# Altium PCB SIM.PcbDoc (part 1 of 2)
Units mm, origin at the board's own origin, x right, y up, seen from the top; angles counter-clockwise.
Board outline 97.32 x 70.78 mm, 2 copper layers (Top Layer, Bottom Layer), stack 1.031 mm thick; 105 components, 81 nets, 458 pads, 378 vias.
Unrouted connection lines stored in the file: 3.
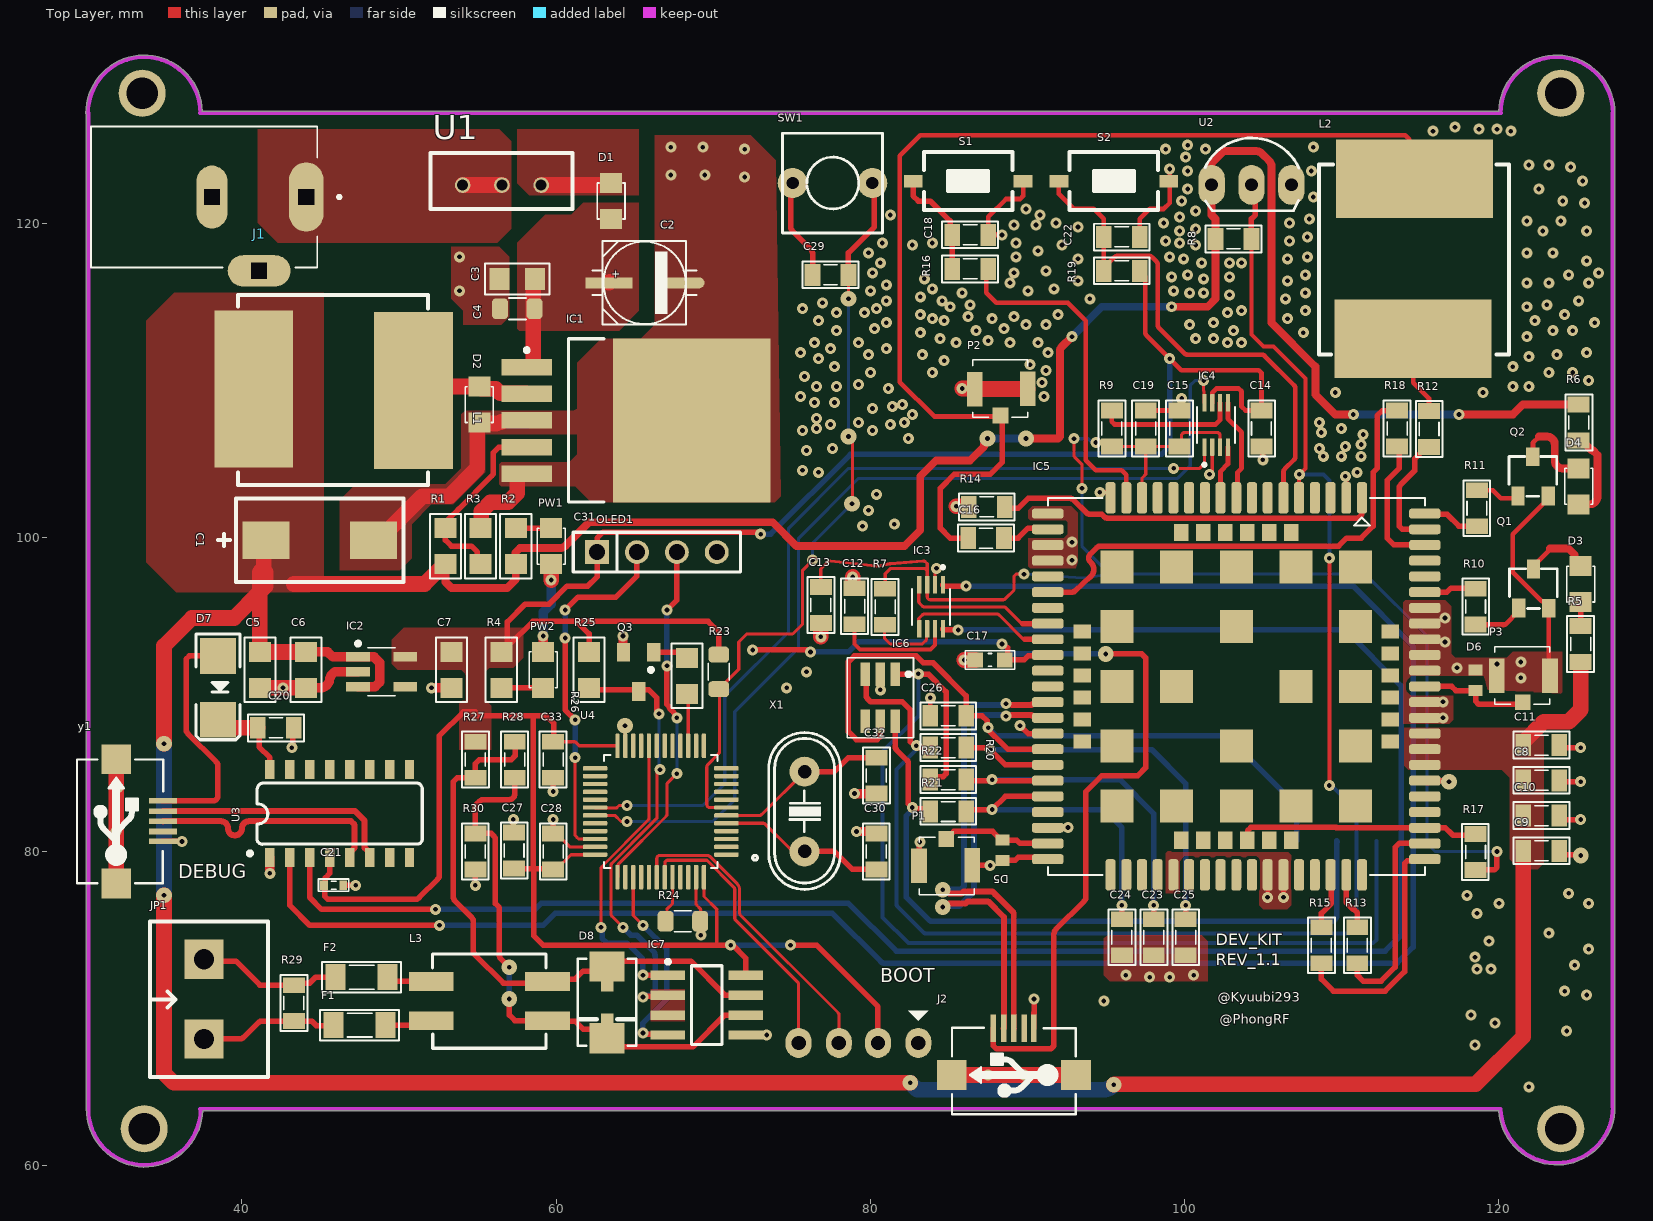
[diagram p0: Top Layer view]
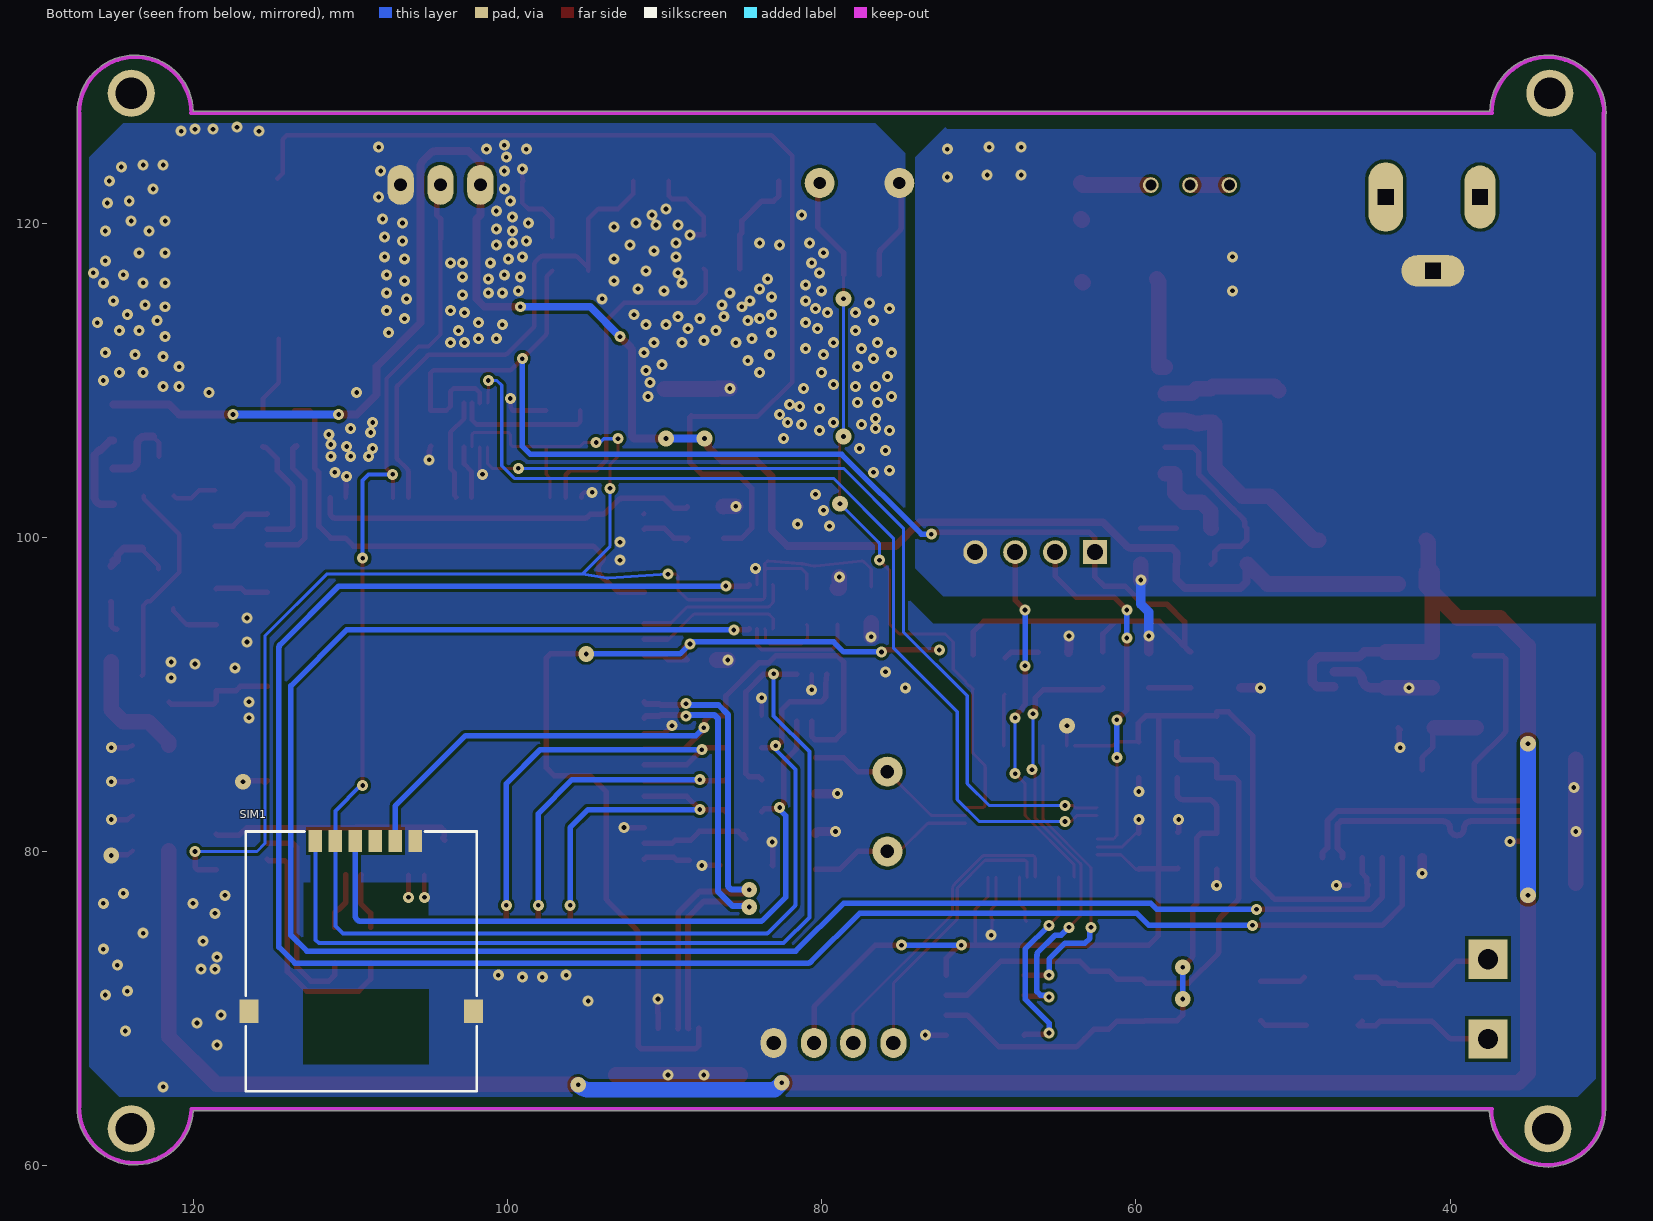
[diagram p1: Bottom Layer view, seen from below]

## Layer stack, top to bottom
Top Solder: solder mask 0.0102, Solder Resist, Dk 3.5
Top Layer: signal copper 0.0356
Dielectric 1: dielectric 0.32, FR-4, Dk 4.8
Dielectric2: dielectric 0.32, FR-4, Dk 4.8
Dielectric3: dielectric 0.32, FR-4, Dk 4.8
Bottom Layer: signal copper 0.0356
Bottom Solder: solder mask 0.0102, Solder Resist, Dk 3.5

## Board outline
30.099,66.048 30.099,126.931 cw(c30.206,127) 30.078,127 cw(c33.782,127) 37.484,127.127 119.996,127.127 cw(c123.698,127) 127.402,127 cw(c127.274,127) 127.381,126.931 127.381,63.823 cw(c127.274,63.754) 127.402,63.754 cw(c123.698,63.754) 120.003,63.5 37.504,63.503 cw(c33.802,63.627) 30.099,63.627

## Design rules (kind name [scope] priority, off if disabled: settings)
Clearance [All] p1: gap=0.2 ignorepadtopadclearanceinfootprint=TRUE
DiffPairsRouting [All] p1: maxlimit=0.254 minlimit=0.254 mostfreqgap=0.254 toplayer_minwidth=0.381 toplayer_maxwidth=0.381 toplayer_prefwidth=0.381 bottomlayer_minwidth=0.381 bottomlayer_maxwidth=0.381 bottomlayer_prefwidth=0.381 maxuncoupledlength=12.7
MatchedLengths [InDifferentialPair('DATAUSB')] p1: tolerance=2 checknetsindiffpair=FALSE checkdiffpairvsdiffpair=TRUE checkxsignals=TRUE checkothers=TRUE
MinimumSolderMaskSliver [All] p1: minsoldermaskwidth=0
PlaneConnect [All] p1: planeconnectstyle=Direct reliefexpansion=0.508 reliefentries=4 reliefconductorwidth=0.254 reliefairgap=0.254
PolygonConnect PolygonConnect_5 [All vs IsNamedPolygon('NONET_L-01_P-001')] p1: connectstyle=Direct reliefconductorwidth=0.254 reliefentries=4 polygonreliefangle="90 Angle" airgapwidth=0.254
PolygonConnect PolygonConnect_4 [All vs IsNamedPolygon('NONET_L-01_P-001')] p2: connectstyle=Direct reliefconductorwidth=0.254 reliefentries=4 polygonreliefangle="90 Angle" airgapwidth=0.254
PolygonConnect PolygonConnect_3 [All vs IsNamedPolygon('Top Layer-3V3')] p3: connectstyle=Direct reliefconductorwidth=0.254 reliefentries=4 polygonreliefangle="90 Angle" airgapwidth=0.254
PolygonConnect PolygonConnect_2 [All vs IsNamedPolygon('NONET_L-01_P-001')] p4: connectstyle=Direct reliefconductorwidth=0.254 reliefentries=4 polygonreliefangle="90 Angle" airgapwidth=0.254
PolygonConnect PolygonConnect_1 [All vs IsNamedPolygon('GN')] p5: connectstyle=Direct reliefconductorwidth=0.254 reliefentries=4 polygonreliefangle="90 Angle" airgapwidth=0.254
PolygonConnect [All] p6: connectstyle=Direct reliefconductorwidth=0.254 reliefentries=4 polygonreliefangle="90 Angle" airgapwidth=0.254
RoutingVias [All] p1: holewidth=0.35 width=0.7 viastyle="Through Hole" minholewidth=0.3 minwidth=0.7 maxholewidth=0.5 maxwidth=1
SilkToSilkClearance [All] p1: silktosilkclearance=0
SilkToSolderMaskClearance [IsPad] p1: minsilkscreentomaskgap=0.1 clearancetoexposedcopper=TRUE
SolderMaskExpansion [All] p1: expansion=0.102 istentingtop=FALSE
Width [All] p1: maxlimit=2 minlimit=0.2 preferedwidth=0.3
25 further rules are at their usual default settings.

## Classes and differential pairs
net class DIFFDATA: D_N D_P DATAUSB_N DATAUSB_P
component class U_4.STM32: C4 C18 C29 C30 C31 D8 F1 IC7 JP1 L3 OLED1 Q3 R22 R24 R26 R28 R29 R30 SW1 U1 X1
component class U_2.4G: C9 C10 C12 C14 C16 C26 C29 C30 C31 D3 D4 D5 D6 D7 IC3 IC4 IC5 IC6 J2 L2 P1 P2 P3 Q1 Q2 R5 R7 R8 R9 R10 R12 R14 R16 R17 R18 R20 R22 S1 S2 SIM1 U1 y1
component class U_1.POWER: C1 C5 C7 C9 D1 D2 IC1 IC2 J2 L1 PW1 PW2 R1 R2 R3 R4 U1
differential pair D: +D_P -D_N
differential pair DATAUSB: +DATAUSB_P -DATAUSB_N

## Components (designator, comment, footprint, x,y, rotation, side; value= is the part's Value field where it differs from the comment)
C1 "220uF" EEFSDE 44.958,99.822 r0 top
C2 "470uF/63V" CAP-ALU-SMD-C 65.659,116.205 r0 top value="Cap 470uF/63V"
C3 "4.7uF" C-0805#1 57.531,116.459 r0 top
C4 "4.7uF" C-0805#2 57.531,114.554 r0 top value=100nF
C5 "4.7uF" C-0805#1 41.148,91.567 r90 top
C6 "10nF" C-0805#1 44.092,91.567 r270 top value=10uF
C7 "10uF" C-0805#1 53.34,91.567 r270 top
C8 "100nF" CAP_0805 122.716,84.535 r180 top value=33p
C9 "10uF" CAP_0805 122.716,80.047 r180 top value=33p
C10 "100nF" CAP_0805 122.716,82.291 r180 top value=33p
C11 "100uF" CAP_0805 122.716,86.778 r180 top value=33p
C12 "104" CAP_0805 79.01,95.615 r270 top value=33p
C13 "104" CAP_0805 76.851,95.699 r90 top value=33p
C14 "104" CAP_0805 104.902,106.934 r90 top value=33p
C15 "104" CAP_0805 99.695,106.934 r270 top value=33p
C16 "33pF" CAP_0805 87.376,99.949 r180 top value=33p
C17 "10uF" CAP_0603 87.63,92.202 r0 top value=33p
C18 "100nF" CAP_0805 86.36,119.253 r180 top value=33p
C19 "10uF" CAP_0805 97.536,106.934 r270 top value=33p
C20 "10uF" CAP_0805 42.164,87.884 r0 top value=33p
C21 "100nF" CAP_0402 45.847,77.851 r0 top value=33p
C22 "100nF" CAP_0805 96.012,119.126 r0 top value=33p
C23 "22pF" CAP_0805 98.044,74.549 r90 top value=33p
C24 "22pF" CAP_0805 96.012,74.549 r90 top value=33p
C25 "22pF" CAP_0805 100.076,74.549 r90 top value=33p
C26 "104" CAP_0805 84.963,88.646 r0 top value=33p
C27 "104" CAP_0805 57.328,80.073 r90 top value=33p
C28 "104" CAP_0805 59.817,80.01 r90 top value=33p
C29 "100nF" CAP_0805 77.47,116.713 r180 top value=33p
C30 "22pF" CAP_0805 80.391,80.01 r270 top value=33p
C31 "JP4" JP4-C1T 62.611,99.06 r0 top
C32 "22pF" CAP_0805 80.391,84.836 r90 top value=33p
C33 "100nF" CAP_0805 59.817,85.852 r270 top value=33p
D1 "M7" LED-0805-BLUE 63.5,122.555 r270 top value=1N4007
D2 "SS36" LED-0805-BLUE 55.118,107.315 r90 top value="40V 3A"
D3 "NET" LED-0805-BLUE 125.222,95.885 r90 top value="LED 3 ly Single Colour"
D4 "PPS" LED-0805-BLUE 125.095,102.108 r90 top value="LED 3 ly Single Colour"
D5 "LXES15AAA1-153" INDC1005X45 88.429,80.088 r270 top value=4V
D6 "LXES15AAA1-153" INDC1005X45 118.528,90.898 r90 top value=4V
D7 "dio214AC SMA" DIO-SMD-106 38.481,90.424 r90 top value=1N4007
D8 "SMAJ6.8CA" "SOD323 - DO241" 63.246,70.401 r270 top
F1 "F1A" RES-SMD-1206 47.498,68.961 r180 top value=Fuse
F2 "F1A" RES-SMD-1206 47.625,72.009 r180 top value=Fuse
IC1 "LM2596" TO-263 64.135,107.442 r0 top
IC2 "AP7335A-33W5-7" SOT23-5 48.895,91.44 r0 top
IC3 "TXB0102DCUR" SOP50P310X90-8N 83.874,95.58 r270 top
IC4 "TXB0102DCUR" SOP50P310X90-8N 102.018,107.154 r90 top
IC5 "SIM A7672S" A7672S 103.298,90.517 r270 top
IC6 "TPD4E001" SOT23-6 80.645,89.789 r270 top
IC7 "MAX3485" SOIC-8 69.596,70.231 r0 top
J1 "DC-005-5A-2.0" XKB_DC-005-5A-2.0 38.1,121.666 r0 top
J2 "USB-5" USB-M1 89.141,68.754 r180 top
JP1 "JP2" KF2-5.08 37.592,70.612 r90 top value="Connector 2"
L1 "33uH" INDUCTOR_SMD 39.751,115.443 r270 top value=220uH
L2 "47nH" INDUCTOR_SMD 108.554,111.649 r0 top value="150 mH"
L3 "L" L-B82793S0513N201 55.753,70.485 r180 top
OLED1 "SSD1306" "OLED 1.3" 79.121,82.804 r180 top
P1 "IPX" IPXS 84.836,80.391 r90 top
P2 "IPX" IPXS 88.302,108.17 r270 top
P3 "IPX" IPXS 121.539,89.916 r270 top
PW1 "3V8" LED-0805-BLUE 59.69,100.584 r270 top value=Red
PW2 "LED 0805" LED-0805-BLUE 59.182,90.424 r90 top value=Red
Q1 "3904" MMBT3904 122.211,96.74 r0 top
Q2 "3904" MMBT3904 122.174,103.886 r0 top
Q3 "C1815(MMBT4401)" SOT23 65.278,91.44 r180 top
R1 "10k" R-0805#1 52.959,99.441 r270 top
R2 "1k" R-0805#1 57.438,99.441 r90 top
R3 "4.7k" R-0805#1 55.198,99.441 r270 top value=3.3k
R4 "1k" R-0805#1 56.515,91.567 r90 top
R5 "1k" RES-SMD-0805 125.222,93.218 r270 top
R6 "1k" RES-SMD-0805 125.095,107.315 r90 top
R7 "1k" RES-SMD-0805 80.953,95.58 r270 top
R8 "4k7" RES-SMD-0805 103.124,118.999 r0 top
R9 "1k" RES-SMD-0805 95.377,106.934 r90 top
R10 "330R" RES-SMD-0805 118.528,95.597 r90 top
R11 "330R" RES-SMD-0805 118.618,101.854 r270 top
R12 "10R" RES-SMD-0805 115.57,106.9 r90 top
R13 "10k" RES-SMD-0805 110.998,74.041 r90 top
R14 "1K" RES-SMD-0805 87.413,101.947 r0 top
R15 "10k" RES-SMD-0805 108.712,74.041 r90 top
R16 "1K" RES-SMD-0805 86.36,117.094 r0 top
R17 "0R" RES-SMD-0805 118.528,79.976 r270 top
R18 "0R" RES-SMD-0805 113.538,106.934 r270 top
R19 "10K" RES-SMD-0805 96.012,116.967 r180 top
R20 "22R" RES-SMD-0805 84.963,86.614 r180 top
R21 "22R" RES-SMD-0805 84.963,82.55 r180 top
R22 "22R" RES-SMD-0805 84.963,84.582 r180 top
R23 "4.7k" R-0805#2 70.358,91.44 r270 top
R24 "4.7k" R-0805#2 68.072,75.565 r0 top
R25 "4.7k" R-0805#1 62.103,91.567 r270 top
R26 "1k" R-0805#1 68.326,91.186 r90 top
R27 "680R" RES-SMD-0805 54.864,85.852 r90 top
R28 "120R" RES-SMD-0805 57.37,85.852 r270 top
R29 "120R" RES-SMD-0805 43.307,70.358 r90 top
R30 "680R" RES-SMD-0805 54.864,80.01 r270 top
S1 "RST" SW-SMD 86.233,122.682 r180 top
S2 "BTN" SW-SMD 95.504,122.682 r180 top
SIM1 "Sim holder" "SIM_MICROSIM 6P FLIP" 109.309,75.265 r0 bottom
SW1 "SW" SW2 80.137,122.555 r180 top value="SW chip 2 pin"
U1 "MSK-12D19" Switch 54.055,122.428 r0 top
U2 "DS18B20" QTO-92A 104.267,122.441 r0 top
U3 "CH340C" SOP-16 46.228,82.423 r0 top
U4 "STM32F103C8T6" STM32F103C8T6 85.968,84.205 r180 top
X1 "4Mhz" XT2 75.819,82.55 r270 top
y1 "USB-5" USB-M1 34.972,81.928 r90 top

## Footprints (in the part's own frame and the unit in brackets; to place one, negate y for a bottom-side part, rotate by r counter-clockwise, add the part's x,y. Pads: shape width x height; smd on the part's side, far side on the other; paste and mask are expansions set on the pad)
A7672S [mm] "SIMCOM A7672S"
  rrect50% 2x0.635 smd: 1(-12,8) 2(-12,7) 3(-12,6) 4(-12,5) 5(-12,4) 6(-12,3) 7(-12,2) 8(-12,1) 9(-12,0) 10(-12,-1) 11(-12,-2) 12(-12,-3) 13(-12,-4) 14(-12,-5) 15(-12,-6) 16(-12,-7) 17(-12,-8) 35(12,-8) 36(12,-7) 37(12,-6) 38(12,-5) 39(12,-4) 40(12,-3) 41(12,-2) 42(12,-1) 43(12,0) 44(12,1) 45(12,2) 46(12,3) 47(12,4) 48(12,5) 49(12,6) 50(12,7) 51(12,8)
  rrect50% 0.635x2 smd: 18(-8,-12) 19(-7,-12) 20(-6,-12) 21(-5,-12) 22(-4,-12) 23(-3,-12) 24(-2,-12) 25(-1,-12) 26(0,-12) 27(1,-12) 28(2,-12) 29(3,-12) 30(4,-12) 31(5,-12) 32(6,-12) 33(7,-12) 34(8,-12) 52(8,12) 53(7,12) 54(6,12) 55(5,12) 56(4,12) 57(3,12) 58(2,12) 59(1,12) 60(0,12) 61(-1,12) 62(-2,12) 63(-3,12) 64(-4,12) 65(-5,12) 66(-6,12) 67(-7,12) 68(-8,12) 89(-11,-12) 90(-10,-12) 91(-9,-12) 92(9,-12) 93(10,-12) 94(11,-12) 95(11,12) 96(10,12) 97(9,12) 98(-9,12) 99(-10,12) 100(-11,12)
  rect 2.1x2.1 smd: 69(-7.6,7.6) 70(-7.6,3.8) 71(-7.6,0) 72(-7.6,-3.8) 73(-7.6,-7.6) 74(-3.8,-7.6) 75(0,-7.6) 76(3.8,-7.6) 77(7.6,-7.6) 78(7.6,-3.8) 79(7.6,0) 80(7.6,3.8) 81(7.6,7.6) 82(3.8,7.6) 83(0,7.6) 84(-3.8,7.6) 85(-3.8,0) 86(0,-3.8) 87(3.8,0) 88(0,3.8)
  rect 1.1x0.9 smd: 101(-9.8,3.5) 102(-9.8,2.1) 103(-9.8,0.7) 104(-9.8,-0.7) 105(-9.8,-2.1) 106(-9.8,-3.5) 113(9.8,-3.5) 114(9.8,-2.1) 115(9.8,-0.7) 116(9.8,0.7) 117(9.8,2.1) 118(9.8,3.5)
  rect 0.9x1.1 smd: 107(-3.5,-9.8) 108(-2.1,-9.8) 109(-0.7,-9.8) 110(0.7,-9.8) 111(2.1,-9.8) 112(3.5,-9.8) 119(3.5,9.8) 120(2.1,9.8) 121(0.7,9.8) 122(-0.7,9.8) 123(-2.1,9.8) 124(-3.5,9.8)
  silkscreen extent -12,-12 12,12, body extent -12,-12 12,12, height 2.6
C-0805#1 [mil] "Compoment SMD 80x50mil"
  rect 50x55 smd: 1(-45,0) 2(45,0)
  silkscreen extent -81,-39 81,39, body extent -40,-25 40,25, height 24
C-0805#2 [mil] "Compoment SMD 80x50mil"
  rrect50% 40x52 smd: 1(-43.31,0) 2(43.31,0)
  silkscreen extent -21,-27 22,27, body extent -40,-25 40,25, height 24
CAP-ALU-SMD-C [mm]
  rect 3x0.7 smd: 1(-2.286,0)
  oval 3x0.7 smd: 2(2.286,0)
  silkscreen extent -3.35,-2.65 3.28,2.65, body extent -2.95,-2.65 2.95,2.65, height 5.41
CAP_0402 [mm]
  rect 0.5x0.6 smd: 1(-0.61,0) 2(0.61,0)
  silkscreen extent -0.97,-0.38 0.97,0.41, body extent -0.5,-0.27 0.5,0.26, height 0.35
CAP_0603 [mm]
  rect 1x0.95 smd mask+0.076: 1(-0.94,0) 2(0.94,0)
  silkscreen extent -1.57,-0.58 1.57,0.58, body extent -0.77,-0.39 0.83,0.41, height 0.9
CAP_0805 [mil]
  rect 39.37x55 smd: 1(-45,0) 2(45,0)
  silkscreen extent -70,-34 70,33, body extent -40,-25 40,25, height 24
DIO-SMD-106 [mil]
  rect 90x90.55 smd: 1(80,0) 2(-80,0)
  silkscreen extent -130,-55 135,55, body extent -99,-50 106,52, height 95
EEFSDE [mm]
  rect 3x2.4 smd: 1(-3.429,0) 2(3.429,0)
  silkscreen extent -6.48,-2.66 5.33,2.66, body extent -3.81,-2.15 3.81,2.15, height 4.21
INDC1005X45 [mm]
  rect 0.7x0.9 smd: 1(-0.65,0) 2(0.65,0)
INDUCTOR_SMD [mm]
  rect 10x5 smd: 1(6.096,11.176) 2(6,1)
  silkscreen extent 0,0 12.1,12.1, body extent 0.1,-0.2 12.1,12.14, height 7.15
IPXS [mm] "SOT 23 _ 1-3-2"
  rect 1x1 smd: 1(0.415,-0.01)
  rect 2.2x1 smd: 2(-1.273,-1.658) 3(-1.278,1.73)
  silkscreen extent -3.13,-1.79 0.53,1.73, body extent -2.83,-1.49 0.31,1.56, height 1.55
JP4-C1T [mm] "4 row, straight, gold plating"
  rect 1.52x1.52 hole 1.02: 1(0,0)
  round 1.52 hole 1.02: 2(2.54,0) 3(5.08,0) 4(7.62,0)
  silkscreen extent -1.52,-1.27 9.14,1.27, body extent -1.52,-1.25 9.14,1.25, height 8.51
KF2-5.08 [mm]
  rect 2.5x2.5 hole 1.3: 1(-2.54,0) 2(2.54,0)
  silkscreen extent -4.95,-4.08 4.95,3.43, body extent -5,-4.07 5,3.43, height 10
L-B82793S0513N201 [mm] "Loc 220"
  rect 2.85x1.2 smd: 1(-3.7,1.25) 2(3.7,1.25) 3(3.7,-1.25) 4(-3.7,-1.25)
  silkscreen extent -3.61,-3 3.61,3, body extent -4.57,-2.95 4.57,2.95, height 4.61
LED-0805-BLUE [mil]
  rect 50x55 smd: 1(0,0) 2(90,0)
  silkscreen extent 0,-35 90,35, body extent 5,-25 85,25, height 43
MMBT3904 [mm]
  rect 0.85x1.2 smd: 1(-0.94,-1.245) 2(0.985,-1.25) 3(0.005,1.25)
  silkscreen extent -1.52,-1.27 1.52,1.27, body extent -1.5,-1.3 1.5,1.2, height 1.06
"OLED 1.3" [mil]
  oval 65x75 hole 36: 1(-155,590) 2(-54,590) 3(44,590) 4(145,590)
  silkscreen extent -180,509 -130,534, body extent -661,-687 657,640, height 553
QTO-92A [mil] "TO-92"
  oval 66x100 hole 32: 1(100,0) 2(0,0) 3(-100,0)
  silkscreen extent -117,-65 119,118, body extent -110,-61 108,100, height 245
R-0805#1 [mil] "Compoment SMD 80x50mil"
  rect 50x55 smd: 1(-45,0) 2(45,0)
  silkscreen extent -81,-39 81,39, body extent -39,-25 39,25, height 31
R-0805#2 [mil] "Compoment SMD 80x50mil"
  rrect50% 40x52 smd: 1(-43.31,0) 2(43.31,0)
  silkscreen extent -21,-26 21,26, body extent -39,-25 39,25, height 22
RES-SMD-0805 [mil]
  rect 39.37x55 smd: 1(-45,0) 2(45,0)
  silkscreen extent -70,-34 70,33, body extent -39,-25 39,25, height 31
RES-SMD-1206 [mil]
  rect 50x65 smd: 1(-65,0) 2(65,0)
  silkscreen extent -99,-38 99,39, body extent -63,-31 63,32, height 40
"SIM_MICROSIM 6P FLIP" [mm]
  rect 0.85x1.4 smd: 1(-2.16,-5.415) 2(0.38,-5.415) 3(2.92,-5.415) 5(-3.43,-5.415) 6(-0.89,-5.415) 7(1.65,-5.415)
  rect 1.2x1.5 smd: 8(-7.15,5.415) 8(7.15,5.415)
  Top Layer pour cut-out: 3.683,-2.79 -4.293,-2.79 -4.293,1.96 3.683,1.96
  Top Layer pour cut-out: 3.683,8.788 -4.293,8.788 -4.293,4.039 3.683,4.039
  silkscreen extent -7.35,-6.02 7.35,10.52, body extent -7.61,-5.89 7.59,10.41, height 1.7
"SOD323 - DO241" [mm] "Chip Capacitor; Body 3.2 x 1.6 mm (LxW typ)"
  rect 1.93x2.21 smd: 1(-2.286,0) 2(2.286,0)
  rect 0.8x0.8 smd: 1(-1.1,0) 2(1.1,0)
  silkscreen extent -2.77,-1.85 2.77,1.85, body extent -2.7,-1.8 2.7,1.8, height 2.27
SOIC-8 [mm] "SOIC, 8-Leads, Body 5,0x4,0mm (max), Pitch 1,27mm, IPC Medium Density"
  rect 2.2x0.6 smd: 1(-2.475,1.905) 2(-2.475,0.635) 3(-2.475,-0.635) 4(-2.475,-1.905) 5(2.475,-1.905) 6(2.475,-0.635) 7(2.475,0.635) 8(2.475,1.905)
  silkscreen extent -2.6,-2.5 0.98,2.88, body extent -3.2,-2.5 3.2,2.5, height 1.75
SOP50P310X90-8N [mm]
  rrect25% 1.12x0.27 smd: 1(-1.405,0.75) 2(-1.405,0.25) 3(-1.405,-0.25) 4(-1.405,-0.75) 5(1.405,-0.75) 6(1.405,-0.25) 7(1.405,0.25) 8(1.405,0.75)
  silkscreen extent -2.62,-1.2 1.15,1.2
SOP-16 [mm]
  rect 0.6x1.2 smd: 1(-4.445,-2.8) 2(-3.175,-2.8) 3(-1.905,-2.8) 4(-0.635,-2.8) 5(0.635,-2.8) 6(1.905,-2.8) 7(3.175,-2.8) 8(4.445,-2.8) 9(4.445,2.8) 10(3.175,2.8) 11(1.905,2.8) 12(0.635,2.8) 13(-0.635,2.8) 14(-1.905,2.8) 15(-3.175,2.8) 16(-4.445,2.8)
  silkscreen extent -5.84,-2.67 5.26,1.95, body extent -4.95,-3.47 4.95,3.47, height 1.75
SOT23 [mm] "SOT 23 _ 1-3-2"
  rect 0.85x1.2 smd: 1(-0.94,-1.245) 2(0.985,-1.25) 3(0.005,1.25)
  silkscreen extent -0.89,-0.25 -0.64,0, body extent -1.47,-1.33 1.53,1.17, height 1.06
SOT23-5 [mm] "SOT23, 5-Leads, Body 3.0x3.0mm (max), Pitch 0.95mm, IPC Medium Density"
  rect 1.5x0.6 smd: 1(-1.5,0.95) 2(-1.5,0) 3(-1.5,-0.95) 4(1.5,-0.95) 5(1.5,0.95)
  silkscreen extent -1.62,-1.52 0.87,1.92, body extent -1.75,-1.52 1.75,1.53, height 1.45
SOT23-6 [mm] "SOT23, 5-Leads, Body 3.0x3.0mm (max), Pitch 0.95mm, IPC Medium Density"
  rect 1.5x0.6 smd: 1(-1.5,0.95) 2(-1.5,0) 3(-1.5,-0.95) 4(1.5,-0.95) 5(1.5,0) 6(1.5,0.95)
  silkscreen extent -2.54,-2.11 2.54,2.11, body extent -1.75,-1.52 1.75,1.53, height 1.45
STM32F103C8T6 [mm]
  rrect50% 1.56x0.28 smd: 1(15.124,4.401) 2(15.124,3.901) 3(15.124,3.401) 4(15.124,2.901) 5(15.124,2.401) 6(15.124,1.901) 7(15.124,1.401) 8(15.124,0.901) 9(15.124,0.401) 10(15.124,-0.099) 11(15.124,-0.599) 12(15.124,-1.099) 25(23.484,-1.099) 26(23.484,-0.599) 27(23.484,-0.099) 28(23.484,0.401) 29(23.484,0.901) 30(23.484,1.401) 31(23.484,1.901) 32(23.484,2.401) 33(23.484,2.901) 34(23.484,3.401) 35(23.484,3.901) 36(23.484,4.401)
  rrect50% 0.28x1.56 smd: 13(16.554,-2.529) 14(17.054,-2.529) 15(17.554,-2.529) 16(18.054,-2.529) 17(18.554,-2.529) 18(19.054,-2.529) 19(19.554,-2.529) 20(20.054,-2.529) 21(20.554,-2.529) 22(21.054,-2.529) 23(21.554,-2.529) 24(22.054,-2.529) 37(22.054,5.831) 38(21.554,5.831) 39(21.054,5.831) 40(20.554,5.831) 41(20.054,5.831) 42(19.554,5.831) 43(19.054,5.831) 44(18.554,5.831) 45(18.054,5.831) 46(17.554,5.831) 47(17.054,5.831) 48(16.554,5.831)
  silkscreen extent 13.15,-1.95 22.9,5.25
SW2 [mil] "SW button 2pin, 250x 250 mil"
  round 75 hole 31: 1(0,0) 2(200,0)
  silkscreen extent -25,-125 225,125
SW-SMD [mm] "Switch SMD type"
  rect 1.2x0.8 smd: 1(-3.5,0) 2(3.5,0)
  silkscreen extent -2.82,-1.85 2.82,1.85, body extent -3.05,-1.85 3.05,1.85, height 2.5
Switch [mm]
  round 1 hole 0.7: 1(0,0) 2(2.5,0) 3(5,0)
  silkscreen extent -2.03,-1.52 6.98,2.03
TO-263 [mm]
  rect 3.2x1.05 smd: 1(-6,3.4) 2(-6,1.7) 3(-6,0) 4(-6,-1.7) 5(-6,-3.4)
  rect 10x10.45 smd: 6(4.5,0)
  silkscreen extent -6.12,-5.2 -1.1,5.2, body extent -6.58,-5.2 7.57,5.2, height 4.65
USB-M1 [mil]
  rect 14x70 smd: 1(51.18,0) 2(25.59,0) 3(0,0) 4(-25.59,0) 5(-50,0)
  rect 74.8x74.8 smd: 5(-155.51,116.84) 5(155.51,116.84)
  silkscreen extent -155,-1 155,215, body extent -157,5 158,218, height 107
XKB_DC-005-5A-2.0 [mm]
  oval 2.2x4.4 hole 1 square: 1(6,0)
  oval 2x4 hole 1 square: 2(0,0)
  oval 4x2 hole 1 square: 3(3,-4.7)
  silkscreen extent -7.7,-4.5 8.2,4.5
XT2 [mil] "Footpin for Crystal 2 pin"
  round 75 hole 34: 1(-100,0) 2(100,0)
  silkscreen extent -198,-90 195,90, body extent -233,-93 213,90, height 138

## Part data
C1: library part CP5, "220µF Molded Tantalum Polymer Capacitor 16V 2917 (7343 Metric) 40mOhm @ 100kHz", Manufacturer="AVX Corporation", Package=2917, Part Number=TCME227M016R0040E, Category=CAPACITOR, User_Description="CAP TANT POLY 220UF 16V 2917"
C2: library part CP3, "Cap 470uF/63V"
C3 C4 C5: library part C, "4.7µF ±10% 35V Ceramic Capacitor X5R 0805 (2012 Metric)", Manufacturer="Samsung Electro-Mechanics", Package=0805, Part Number=CL21A475KLCLQNC, Category=CAPACITOR, User_Description="CAP CER 4.7UF 35V X5R 0805"
C6 C7: library part C, "Cap SMD", Manufacturer="Samsung Electro-Mechanics", Package=0805, Part Number=CL21A106KPFNNNG, Category=CAPACITOR, User_Description="CAP CER 10UF 10V X5R 0805"
C8 C9 C10 C11 C12 C13 C14 C15 C16 C17 C18 C19 C20 C21 C22 C23 C24 C25 C26 C27 C28 C29 C30 C32 C33: library part CapSMD, "Capacitor", LatestRevisionDate=17-Jul-2002, LatestRevisionNote="Re-released for DXP Platform.", PackageReference=RAD-0.3, Published=8-Jun-2000, Publisher="Altium Limited"
C31: "WR-PHD 2.54 mm Angled Socket Header", Manufacturer="W¨¹rth Elektronik eiSos GmbH", partNo=613004143121, ComponentLink1 Description=Manufacturer, ComponentLink1URL=http://www.we-online.com, ComponentLink2 Description=Datasheet, ComponentLink2URL=http://katalog.we-online.de/em/datasheet/6130xx143121.pdf, Created by="Karrer Zheng", Created Date="29 March 2013", NoPins=04
D1 D7: library part D1A, "Diode 1A"
D2: library part B340A, "Diode Schottky 40V 3A Surface Mount DO-214AC (SMA)", Manufacturer="Vishay General Semiconductor - Diodes Division", Package=DO214AC, Part Number=B340A-M3/61T, Category=DIODE, User_Description="DIODE SCHOTTKY 40V 3A DO214AC"
D3 D4: library part LED, "LED Single colour Green and Red"
D5 D6: library part TVS, "TVS DIODE 4VWM 1005", Manufacturer="Murata Electronics", Package=0402, Category="Circuit Protection", Part Number=LXES15AAA1-153, User_Description="TVS DIODE 4VWM 1005"
D8: library part SMAJ30CA-30V/8.3A, "TVS DIODE 30VWM 48.4VC SMA", Manufacturer="Bourns Inc.", Package=SOD323, Part Number=PSD12C, Category="Circuit Protection", User_Description="TVS DIODE 30VWM 48.4VC SMA"
F1 F2: library part Fuse, "F smd1206 0.315A", Designed by=VanDungEvn
IC1: library part LM2576, "LM2576"
IC2: Package=SOT23-5, Part Number=AP7335A-33W5-7
IC3 IC4: "IC TRNSLTR BIDIRECTIONAL US8", Manufacturer="Texas Instruments", Package=8-VSSOP, Category="IC Logic Level", Part Number=TXB0102DCUR, User_Description="IC TRNSLTR BIDIRECTIONAL US8"
IC5: "SIM A7672S-CAT-M1", Part Number="SIM A7672S"
IC6: library part TPD4E001_1, Manufacturer="Texas Instruments", Package=SOT-363, Part Number=TPD4E001RDBVR, Category="Circuit Protection", User_Description="TVS DIODE 5.5VWM SC70-6"
IC7: library part MAX3362EKA+T, "IC TRANSCEIVER HALF 1/1 SOT23-8", Manufacturer="Maxim Integrated", Package=SOT-23-8, Category="Interface - Drivers", Part Number=MAX3362EKA+T, User_Description="IC TRANSCEIVER HALF 1/1 SOT23-8"
J1: "DC Power Receptacle Jack, Through Holeï¼ŒRight Angle", Package=Package, Check_prices=https://www.snapeda.com/parts/DC-005-5A-2.0/XKB+Industrial+Precision/view-part/?ref=eda, MF="XKB Industrial Precision", MP=DC-005-5A-2.0, SnapEDA_Link=https://www.snapeda.com/parts/DC-005-5A-2.0/XKB+Industrial+Precision/view-part/?ref=snap
J2 y1: Manufacturer=FCI, Category="Connectors, Interconnects"
JP1: library part Con2, "Connector 2"
L1: library part L1, "22µH Shielded Inductor 1.65A 96mOhm Max Nonstandard", Manufacturer="Bourns Inc.", Package=SMD, Part Number=SRR0745A-220M, Category=INDUCTORS, User_Description="FIXED IND 22UH 1.65A 96 MOHM SMD"
L2: library part "Inductor Ferit", "FIXED IND 47NH 300MA 700MOHM SMD", Manufacturer="Taiyo Yuden", Package=0603, Part Number=HK160847NJ-T, Category=INDUCTORS, User_Description="FIXED IND 47NH 300MA 700MOHM SMD"
L3: library part "L filter Common Mode Chokes", "CMC 51UH 800MA 2LN SMD AEC-Q200", Manufacturer="EPCOS - TDK Electronics", Part Number=B82793S0513N201, User_Description="CMC 51UH 800MA 2LN SMD AEC-Q200"
OLED1: library part "OLED 1.3\"", "OLED 1.3\" SSD1306"
P1 P2 P3: library part IPXSx66, "Antenna GSM GPS", Manufacturer="TE Connectivity AMP Connectors", Package=SMD, Part Number=2334884-1, Category=Connectors, User_Description="UMCC MICRO-COAX RECEPTACLE, GEN"
PW1 PW2: library part LED, "LED RED DIFFUSED 0805 SMD", Manufacturer="OSRAM Opto Semiconductors Inc.", Package=0805, Part Number="LS R976-NR-1", Category="LED SMD", User_Description="LED RED DIFFUSED 0805 SMD"
Q1 Q2: library part MMBT3904
Q3: library part NPN, "Transistor C1815, SOT23", Manufacturer="Fairchild Semiconductor", Package=SOT-23, Part Number=MMBT4401, Category="TRAN NPN", User_Description="0.6A, 40V, NPN"
R1: library part R, "RES SMD 10K OHM 1% 1/8W 0805", Manufacturer=Yageo, Package=0805, Part Number=RC0805FR-0710KL, Category=RESISTORS, User_Description="RES SMD 10K OHM 1% 1/8W 0805"
R2 R4 R26: library part R, "Resistor 1/4W", Manufacturer=Yageo, Package=0805, Part Number=RC0805FR-071KL, Category=RESISTORS, User_Description="RES SMD 1K OHM 1% 1/8W 0805"
R3: library part R, "RES SMD 3.3K OHM 1% 1/8W 0805", Manufacturer=Yageo, Package=0805, Part Number=RC0805FR-073K3L, Category=RESISTORS, User_Description="RES SMD 3.3K OHM 1% 1/8W 0805"
R5 R6 R7 R8 R9 R10 R11 R12 R13 R14 R15 R16 R17 R18 R19 R20 R21 R22: library part "Resistor - SMD", "Resistor", Manufacturer="Generic Components", CLASS=Passive, Published=08/06/2000, Publisher="Altium Hobart Technology Centre"
R23 R24 R25: library part R, "RES SMD 4.7K OHM 1% 1/8W 0805", Manufacturer=Yageo, Package=0805, Part Number=RC0805FR-074K7L, Category=RESISTORS, User_Description="RES SMD 4.7K OHM 1% 1/8W 0805"
R27 R28 R29 R30: library part "Resistor - SMD", "Resistor SMD", Manufacturer="Generic Components", CLASS=Passive, Published=08/06/2000, Publisher="Altium Hobart Technology Centre"
S1 S2: library part SW-SMD, "Switch", LatestRevisionDate=17-Jul-2002, LatestRevisionNote="Re-released for DXP Platform.", PackageReference=SPST-2, Published=24-Mar-1999, Publisher="Altium Limited"
SIM1: library part SIM_MicroSim
SW1: library part SW2, "Switch button 2 pin"
U1: library part switch
U2: "High Precision  1-Wire® Digital Thermometer"
U3: "USB to serial chip CH340", Package=Package, Availability=Unavailable, Check_prices=https://www.snapeda.com/parts/CH340C/WCH/view-part/5428851/?ref=eda, MF=WCH, MP=CH340C, Price=None, SnapEDA_Link=https://www.snapeda.com/parts/CH340C/WCH/view-part/5428851/?ref=snap
U4: "Mainstream Performance line, ARM Cortex-M3 MCU with 64 Kbytes Flash, 72 MHz CPU, motor control, USB and CAN"
X1: library part XT2, "Crystal For all Crystal 2pin."

## Free pads (board coordinates)
  round 3 hole 2: 0(33.655,128.27) 0(33.782,62.357) 0(123.952,62.357) 0(123.952,128.27)

## Via types
v1: diameter 0.7, hole 0.3, Top Layer to Bottom Layer, 361 vias
v2: diameter 1, hole 0.3, Top Layer to Bottom Layer, 17 vias

## Nets (pads, with @x,y where several pads share a name; then routed paths per layer and width w, separated by ;. In a path a pad name is that pad's centre, name@x,y a point inside that pad or via, vN(x,y) a via of type N, cw(c..) or ccw(c..) an arc to the next point about the centre after c; other vN are vias at no path point)
1.8V: C13.2 C15.2 C19.2 IC3.3 IC4.3 IC5.15 R7.1 R9.1 R17.2 | length 93.3
  Top Layer w0.2: C13.2@76.851,96.842 76.851,97.985 77.301,98.435 cw(c77.442,98.293) 77.464,98.492 80.358,98.183 ccw(c80.416,98.73) 80.516,98.189 81.242,98.323 cw(c81.296,98.028) 81.273,98.327 ; R7.1@80.953,96.723 80.953,97.684 81.296,98.028 83.455,98.028 83.624,97.859 ; 81.273,98.327 83.357,98.493 cw(c83.373,98.293) 83.513,98.436 83.624,98.325 83.624,97.859 ; v1(89.789,97.663) 89.281,97.663 89.154,97.536 89.154,96.647 88.592,96.085 cw(c88.451,96.226) 88.451,96.026 83.824,96.026 cw(c83.824,96.226) 83.624,96.226 IC3.3@83.624,96.985 83.624,97.859 ; v1(92.964,106.279) 92.964,105.252 ccw(c93.164,105.252) 93.023,105.11 93.472,104.661 v1(93.472,103.124) ; v1(94.361,106.045) 95.123,106.045 R9.1@95.377,105.791 C19.2@97.536,105.791 ; IC5.15@97.298,102.517 97.298,103.775 97.536,104.013 C19.2@97.536,105.791 ; IC4.3@102.268,105.749 102.268,106.48 ccw(c102.068,106.48) 102.068,106.68 100.032,106.68 ccw(c100.032,106.48) 99.89,106.621 99.822,106.553 99.822,105.918 C15.2@99.695,105.791 C19.2@97.536,105.791
  Top Layer w0.35: R17.2@118.528,78.833 119.727,78.833 119.888,78.994 v1(119.888,80.01)
  Bottom Layer w0.2: v1(89.789,97.663) 93.564,97.419 ccw(c93.599,97.968) 93.683,97.424 95.22,97.661 cw(c95.25,97.463) 95.25,97.663 ; v1(92.964,106.279) 93.873,106.279 94.151,106.001 94.317,106.001 v1(94.361,106.045) ; v1(93.472,103.124) 93.472,99.441 95.25,97.663 ; v1(119.888,80.01) 115.951,80.01 115.443,80.518 115.443,93.726 111.506,97.663 95.25,97.663
3.3LOG_RX: IC3.1 U3.2 | length 127.8
  Top Layer w0.35: U3.2@43.053,79.623 43.053,76.581 44.323,75.311 v1(52.578,75.311) ; IC3.1@84.624,96.985 84.624,96.941 84.664,96.901 v1(86.106,96.901)
  Bottom Layer w0.35: v1(52.578,75.311) 59.182,75.311 59.944,76.073 77.597,76.073 80.669,73.001 ccw(c80.917,73.248) 80.917,72.898 113.538,72.898 114.554,73.914 114.554,92.946 ccw(c114.204,92.946) 114.451,93.194 110.744,96.901 v1(86.106,96.901)
3.3LOG_TX: IC3.8 U3.3 | length 120.7
  Top Layer w0.35: U3.3@44.323,79.623 44.323,77.089 45.085,76.327 v1(52.324,76.327) ; IC3.8@84.624,94.175 84.624,94.147 84.664,94.107 v1(85.598,94.107)
  Bottom Layer w0.35: v1(52.324,76.327) 58.674,76.327 59.055,76.708 78.613,76.708 81.661,73.66 112.776,73.66 113.792,74.676 113.792,90.551 110.236,94.107 v1(85.598,94.107)
3.3V: C12.2 IC3.7 | length 7.7
  Top Layer w0.25: C12.2@79.01,94.472 78.994,94.455 78.994,93.218 79.356,92.856 83.839,92.856 84.124,93.141 IC3.7@84.124,94.175
3.8V: C1.1 C5.2 C6.1 C8.2 C9.2 C10.2 C11.2 IC2.1 IC2.3 IC5.55 IC5.56 IC5.57 L1.2 R1.2 R2.1 R5.2 R6.2 R8.1 U2.3 | length 284.6
  Top Layer w0.5: 43.18,97.155 43.307,97.028 ; R1.2@52.895,98.298 R1.2@52.959,98.298 52.959,97.155 53.34,96.774 56.896,96.774 57.438,97.316 R2.1@57.438,98.298 57.404,98.332 57.404,99.021 57.697,99.314 60.245,99.314 ccw(c60.245,99.814) 60.598,99.46 62.103,100.965 73.787,100.965 75.311,99.441 82.169,99.441 83.185,100.457 83.185,103.886 84.201,104.902 86.36,104.902 87.249,105.791 87.249,105.95 87.463,106.164 v2(87.463,106.299) ; v2(89.916,106.299) 91.948,106.299 92.075,106.426 92.075,111.869 cw(c92.425,111.869) 92.178,112.117 v1(92.837,112.776) ; v1(99.187,114.681) 101.473,114.681 101.981,115.189 R8.1@101.981,118.999 101.981,120.269 101.727,120.523 U2.3@101.727,122.441 101.727,123.825 102.489,124.587 104.568,124.587 cw(c104.568,124.087) 104.92,124.442 105.391,123.971 cw(c105.037,123.618) 105.537,123.618 105.537,113.665 108.331,110.871 108.331,109.093 109.601,107.823 v1(110.744,107.823) ; v1(117.475,107.823) 120.904,107.823 121.539,108.458 R6.2@125.095,108.458
  Top Layer w0.6: C6.1@44.092,92.71 45.461,92.71 45.781,92.39 IC2.1@47.395,92.39 48.417,92.39 48.768,92.039 48.768,90.775 48.483,90.49 IC2.3@47.395,90.49
  Top Layer w1: v2(35.052,77.216) 35.052,65.897 35.671,65.278 v2(82.55,65.278) ; v2(35.052,86.868) 35.052,93.091 36.83,94.869 39.497,94.869 41.148,96.52 ; 41.529,97.79 41.529,96.901 41.148,96.52 ; C1.1@41.529,99.822 41.402,99.695 41.402,98.044 41.148,97.79 41.148,96.52 ; 43.307,97.028 51.625,97.028 R1.2@52.895,98.298 ; C6.1@44.092,92.71 C5.2@41.148,92.71 41.148,96.52 ; v2(95.504,65.151) 95.543,65.19 118.53,65.19 121.573,68.233 C9.2@121.573,80.047 ; C11.2@121.573,86.778 121.573,86.977 122.861,88.265 124.46,88.265 125.222,89.027 R5.2@125.222,92.075
  Bottom Layer w0.5: v2(87.463,106.299) v2(89.916,106.299) ; v1(92.837,112.776) 94.742,114.681 v1(99.187,114.681) ; v1(110.744,107.823) v1(117.475,107.823)
  Bottom Layer w1: v2(35.052,77.216) v2(35.052,86.868) ; v2(82.55,65.278) 82.992,64.836 94.775,64.836 ccw(c94.775,65.836) 95.482,65.129 v2(95.504,65.151)
3V3: C7.1 C14.2 C21.1 C27.1 C28.1 C31.1 C33.1 IC2.5 IC4.7 IC7.8 OLED1.2 R4.2 R19.1 R23.1 R25.1 R27.2 U3.4 U4.24 U4.36 U4.48 | length 181.7
  Top Layer w0.2: C28.1@59.817,78.867 60.015,78.867 60.953,79.804 U4.36@62.484,79.804 ; C33.1@59.817,86.995 61.214,86.995 61.475,86.734 U4.24@63.914,86.734 ; U4.48@69.414,78.374 69.414,77.144 70.231,76.327 70.231,74.041
  Top Layer w0.3: R19.1@97.155,116.967 97.505,116.617 97.505,113.058 ccw(c97.805,113.058) 97.592,112.847 v1(99.06,111.379) 99.794,110.645 104.726,110.645 104.902,110.469 C14.2@104.902,108.077 103.886,108.077 103.632,108.331 103.632,109.298 103.456,109.474 102.03,109.474 101.768,109.213 IC4.7@101.768,108.559
  Top Layer w0.35: C21.1@45.212,77.876 C21.1@45.237,77.851 45.275,77.813 45.275,77.167 45.48,76.962 51.036,76.962 ccw(c51.036,77.312) 51.283,77.064 52.475,78.256 ccw(c52.228,78.504) 52.578,78.504 52.578,87.376 54.102,88.9 54.864,88.9 ; C21.1@45.213,77.876 45.312,77.976 45.312,78.332 45.593,78.613 U3.4@45.593,79.623 ; 54.864,88.62 54.89,88.646 58.547,88.646 ; R4.2@56.99,93.17 R4.2@57.039,93.17 ; C27.1@57.328,78.93 57.36,78.899 58.572,78.899 ; C28.1@59.817,78.867 59.785,78.899 58.572,78.899 ; C33.1@59.817,86.995 59.851,87.029 59.851,88.172 59.377,88.646 58.547,88.646 ; R25.1@62.103,92.71 62.103,93.853 61.301,94.655 ; R23.1@70.358,92.54 70.358,93.98 69.683,94.655 61.301,94.655 ; IC7.8@72.071,72.136 72.071,73.217 71.247,74.041 v1(71.12,74.041) 70.231,74.041 59.182,74.041 58.572,74.651 58.572,78.899 ; v1@73.025,100.33 v1(73.025,100.203) 72.898,100.33 62.992,100.33 62.611,99.949 62.611,99.568 62.865,99.314 C31.1@62.611,99.06 62.611,97.487 62.019,96.895 60.705,96.895 59.568,95.758 58.039,95.758 56.896,94.615 56.896,93.091 R4.2@56.515,92.71 ; v1(74.93,74.041) 76.581,74.041 80.493,70.129 80.493,68.123 80.645,67.97 OLED1.2@80.493,67.818 ; R4.2@56.515,92.71 56.578,92.71 R4.2@57.039,93.17 ; R4.2@56.515,92.71 57.011,93.146 R4.2@57.039,93.17 ; R4.2@57.039,93.17 58.523,94.655 61.301,94.655 ; 58.547,88.646 58.547,78.924 58.572,78.899
  Bottom Layer w0.35: v1(71.12,74.041) v1(74.93,74.041) ; v1(73.025,100.203) 73.66,100.203 78.74,105.283 98.552,105.283 99.06,105.791 v1(99.06,111.379)
5V: C20.1 D7.2 U3.16 | length 5.6
  Top Layer w0.35: C20.1@40.894,87.757 41.101,87.55 41.101,86.661 41.783,85.979 U3.16@41.783,85.223
  Top Layer w1: D7.2@38.354,87.884 C20.1@41.021,87.884
A: D8.2 IC7.6 L3.1 R28.2 R30.1 | length 35.4
  Top Layer w0.35: v2(57.023,70.612) 57.032,70.603 57.032,69.587 57.384,69.235 L3.1@59.453,69.235 59.473,69.215 61.214,69.215 61.722,68.707 62.654,68.707 D8.2@63.246,68.115 63.797,67.564 68.707,67.564 70.739,69.596 IC7.6@72.071,69.596 ; v2(57.023,72.644) 56.491,73.176 cw(c56.738,73.424) 56.388,73.424 56.388,76.436 56.134,76.69 56.134,80.754 ccw(c55.784,80.754) 56.031,81.002 55.88,81.153 R30.1@54.864,81.153 54.864,82.786 cw(c55.214,82.786) 54.966,83.033 55.143,83.21 cw(c55.39,82.962) 55.39,83.312 56.969,83.312 ccw(c56.97,83.877) 57.102,83.328 ccw(c57.02,83.668) 57.37,83.668 R28.2@57.37,84.709
  Bottom Layer w0.35: v2(57.023,70.612) v2(57.023,72.644)
B: D8.1 IC7.7 L3.4 R27.1 R28.1 | length 37
  Top Layer w0.35: R28.1@57.37,86.995 57.404,86.961 57.404,86.106 57.15,85.852 55.118,85.852 54.864,85.598 R27.1@54.864,84.709 53.721,84.709 53.467,84.455 53.467,77.105 ccw(c53.817,77.107) 53.568,76.861 54.634,75.795 cw(c54.387,75.547) 54.737,75.547 54.737,73.678 ccw(c55.087,73.678) 54.84,73.43 56.642,71.628 59.346,71.628 L3.4@59.453,71.735 59.6,71.882 61.214,71.882 61.722,72.39 62.949,72.39 D8.1@63.246,72.687 63.584,73.025 68.58,73.025 70.739,70.866 IC7.7@72.071,70.866
CLK: C31.3 U4.37 | length 22.7
  Top Layer w0.2: U4.37@63.914,78.374 63.954,78.414 63.954,79.112 cw(c64.154,79.111) 64.012,79.252 66.998,82.238 ccw(c66.856,82.379) 67.056,82.379 67.056,84.245 cw(c67.256,84.245) 67.115,84.387 v1(67.691,84.963)
  Top Layer w0.35: v1(67.056,91.821) 67.056,89.369 ccw(c67.328,89.59) 67.085,89.337 cw(c66.548,88.773) 67.248,89.115 ccw(c67.561,89.27) 67.313,89.024 67.494,88.843 cw(c67.246,88.596) 67.56,88.75 67.63,88.606 ccw(c67.945,88.76) v1(67.691,88.519) ; v1(67.056,95.377) 67.691,96.012 C31.3@67.691,99.06
  Bottom Layer w0.2: v1(67.691,84.963) v1(67.691,88.519)
  Bottom Layer w0.35: v1(67.056,91.821) v1(67.056,95.377)
CLK: IC6.1 R22.2 SIM1.3 | length 65.1
  Top Layer w0.35: IC6.1@81.595,91.289 83.717,91.289 84.836,90.17 84.836,84.963 84.631,84.758 83.996,84.758 R22.2@83.82,84.582
  Bottom Layer w0.254: v1(83.058,91.313) 83.058,88.646 80.772,86.36 80.772,75.819 82.423,74.168 112.014,74.168 112.229,74.383 SIM1.3@112.229,80.68
D_N: IC5.28 J2.2 | length 29.4
  Top Layer w0.381: v2(84.622,76.475) 84.789,76.475 85.022,76.708 86.076,76.708 86.203,76.835 87.503,76.835 88.498,75.84 88.498,68.761 J2.2@88.491,68.754 ; 89.027,88.699 89.687,88.699 90.266,88.699 90.321,88.644 91.171,88.644 IC5.28@91.298,88.517
  Bottom Layer w0.381: v2(84.622,76.475) 84.696,76.549 85.693,76.549 86.614,77.47 86.614,88.476 86.837,88.699 88.338,88.699 88.359,88.678 88.585,88.678 v1(88.646,88.617)
D_P: IC5.27 J2.3 | length 30.3
  Top Layer w0.381: v2(84.622,77.576) 84.789,77.576 85.022,77.343 85.813,77.343 85.94,77.47 87.766,77.47 87.952,77.284 89.133,76.103 89.133,68.761 J2.3@89.141,68.754 ; 89.027,89.334 89.95,89.334 90.266,89.334 90.321,89.39 91.171,89.39 IC5.27@91.298,89.517
  Bottom Layer w0.381: v2(84.622,77.576) 85.756,77.576 85.979,77.799 85.979,88.739 86.574,89.334 88.338,89.334 88.359,89.356 88.585,89.356 v1(88.646,89.417)
DATA: IC5.5 IC6.3 R8.2 R20.2 SIM1.7 U2.2 | length 102.4
  Top Layer w0.254: R8.2@104.267,118.999 104.267,118.427 104.267,112.903 105.029,112.141 105.664,112.141 107.696,110.109 107.696,104.394 v1(107.315,104.013) 107.298,103.996 IC5.5@107.298,102.517 ; v1(109.22,84.201) v1(109.22,98.679)
  Top Layer w0.35: IC6.3@79.695,91.289 79.756,90.666 79.756,89.894 ccw(c80.01,89.894) 79.83,89.715 79.936,89.609 ccw(c80.115,89.789) 80.115,89.535 82.042,89.535 82.55,89.027 82.55,86.995 v1@82.867,86.677 ; v1@82.931,86.614 R20.2@83.82,86.614 ; R8.2@104.267,118.999 104.267,120.269 104.521,120.523 104.521,122.187 U2.2@104.267,122.441
  Bottom Layer w0.254: v1(82.931,86.741) 82.931,86.487 81.661,85.217 81.661,76.686 ccw(c81.915,76.686) 81.735,76.507 83.387,74.855 ccw(c83.565,75.036) 83.564,74.782 110.469,74.782 110.959,75.272 SIM1.7@110.959,80.68 110.959,82.589 109.347,84.201 v1(109.22,84.201) ; v1@107.188,103.886 v1(107.315,104.013) 108.839,104.013 109.22,103.632 v1(109.22,98.679)
DATAUSB_N: U3.6 y1.2 | length 15.6
  Top Layer w0.381: y1.2@34.972,82.578 34.979,82.571 47.213,82.571 47.816,81.968 47.816,80.241 48.133,79.923 U3.6@48.133,79.623
DATAUSB_P: U3.5 y1.3 | length 15.6
  Top Layer w0.381: y1.3@34.972,81.928 34.979,81.936 37.592,81.936 38.672,81.936 cw(c38.672,81.491) 39.116,81.491 39.116,81.473 ccw(c39.561,81.473) 40.005,81.473 40.005,81.491 cw(c40.45,81.491) 40.45,81.936 42.037,81.936 46.95,81.936 47.18,81.705 47.18,80.241 46.863,79.923 U3.5@46.863,79.623